# Altium PCB LimeSDR-X3_1v1.PcbDoc (part 14 of 25)
Units mm, origin at the board's own origin, x right, y up, seen from the top; angles counter-clockwise.
Board outline 232.5 x 111.15 mm, 12 copper layers (Top, L2, L3, L4, L5, L6, L7, L8, L9, L10, L11, Bottom), stack 1.596 mm thick; 2068 components, 1388 nets, 8930 pads, 3646 vias.
Unrouted connection lines stored in the file: 1.
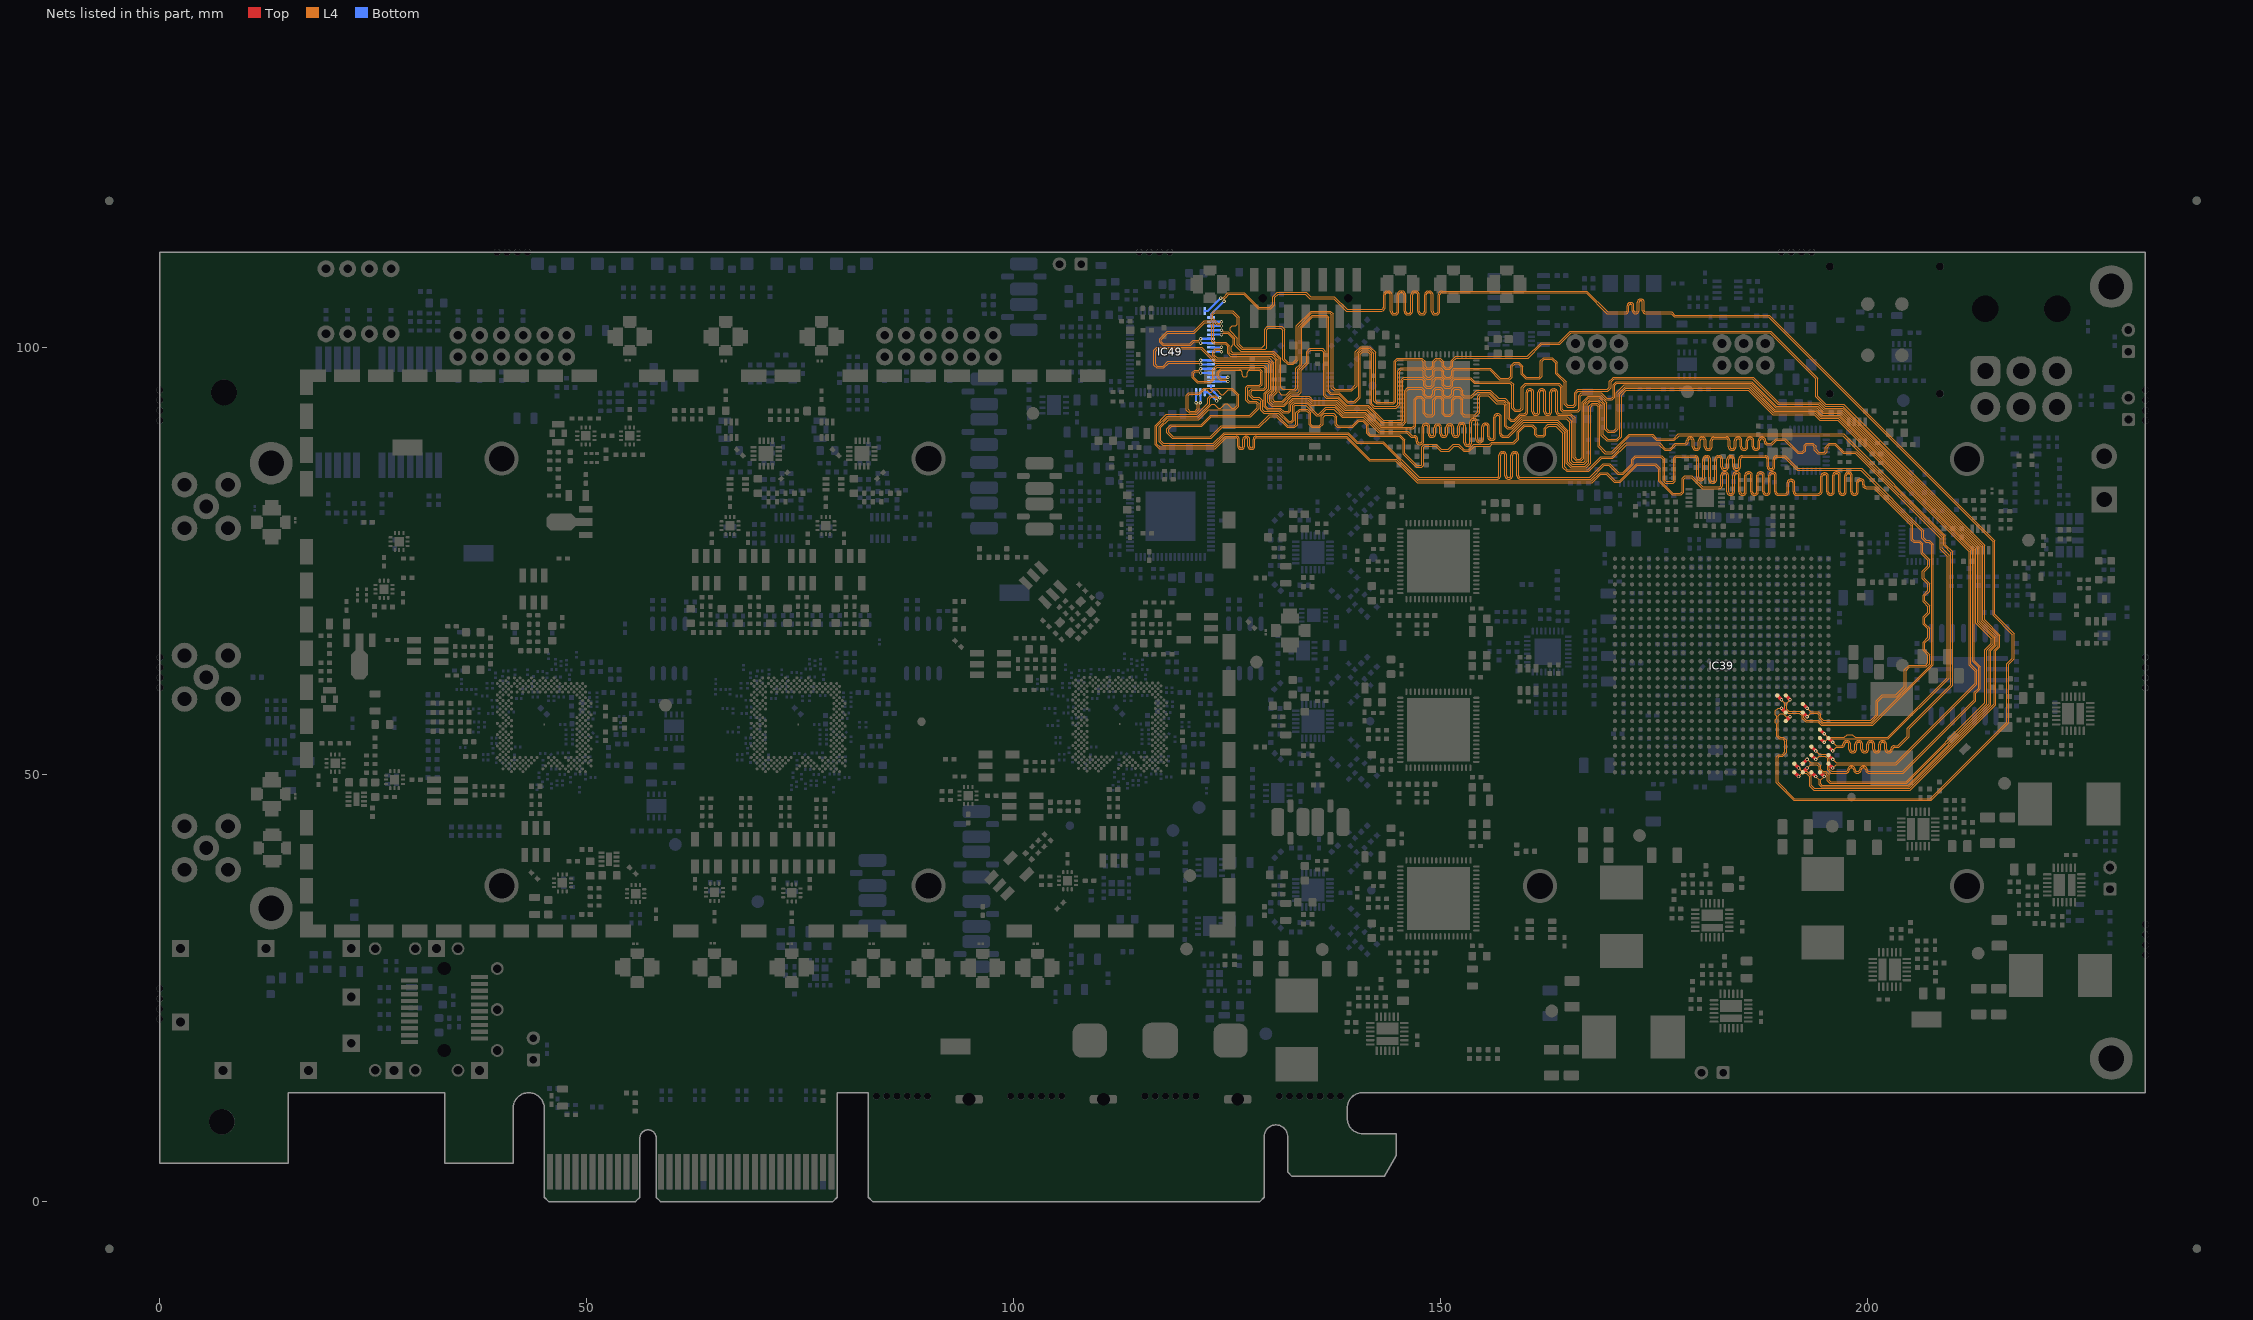
[diagram p24: the nets of this part, all layers, seen from the top]

## Via types
v1: diameter 0.4, hole 0.2, Top to Bottom, tented both sides, 3063 vias
v2: diameter 0.35, hole 0.2, Top to Bottom, tented both sides, 272 vias
v3: diameter 0.5, hole 0.2, Top to Bottom, tented bottom, 196 vias
v4: diameter 0.5, hole 0.2, Top to Bottom, tented both sides, 102 vias
v5: diameter 0.8, hole 0.4, Top to Bottom, tented both sides, 13 vias

## Nets (pads, with @x,y where several pads share a name; then routed paths per layer and width w, separated by ;. In a path a pad name is that pad's centre, name@x,y a point inside that pad or via, vN(x,y) a via of type N, cw(c..) or ccw(c..) an arc to the next point about the centre after c; other vN are vias at no path point) (continued)
LMS2_BB_DAC2_B3_N: IC39.K6 IC49.3 | length 197.1
  Top w0.4: IC39.K6@190.375,59.275 v1(190.875,58.775)
  L4 w0.1: v1(121.328,93.553) 121.328,93.494 121.478,93.344 121.478,92.853 121.2,92.575 120.6,92.575 120.4,92.775 120.4,94.35 120.575,94.525 121.758,94.525 122.283,95.05 122.575,95.05 122.85,94.775 123.075,94.775 123.35,95.05 123.726,95.05 124.276,94.5 124.525,94.5 125.075,95.05 125.5,95.05 126.15,94.4 126.15,93.225 125.825,92.9 125.475,92.9 124.95,93.425 124.725,93.425 124.2,92.9 123.925,92.9 123.45,93.375 123.176,93.375 121.576,91.775 118.026,91.775 117,90.749 117,88.992 117.417,88.575 123.424,88.575 124.699,89.85 139.075,89.85 140.125,88.8 143.167,88.8 147.367,84.6 156.573,84.6 ccw(c156.573,85.015) 156.988,85.015 156.988,87.401 cw(c157.203,87.401) 157.203,87.616 157.272,87.616 cw(c157.272,87.401) 157.488,87.401 157.488,85.015 ccw(c157.903,85.015) 157.903,84.6 157.972,84.6 ccw(c157.972,85.015) 158.387,85.015 158.387,87.401 cw(c158.602,87.401) 158.602,87.616 158.672,87.616 cw(c158.672,87.401) 158.887,87.401 158.887,85.015 ccw(c159.302,85.015) 159.302,84.6 165.708,84.6 167.514,84.6 169.114,86.2 169.667,86.2 170.717,85.15 171.358,85.15 172.525,86.317 172.525,86.5 172.525,86.867 172.808,87.15 175.168,87.15 175.75,87.15 176.025,86.875 176.025,84.392 176.292,84.125 177.208,84.125 177.45,84.367 177.45,87.025 177.575,87.15 179.762,87.15 cw(c179.762,86.935) 179.977,86.935 179.977,84.835 ccw(c180.392,84.835) 180.392,84.42 180.462,84.42 ccw(c180.462,84.835) 180.877,84.835 180.877,86.935 cw(c181.092,86.935) 181.092,87.15 181.162,87.15 cw(c181.162,86.935) 181.377,86.935 181.377,84.549 ccw(c181.792,84.549) 181.792,84.134 181.862,84.134 ccw(c181.862,84.549) 182.277,84.549 182.277,86.935 cw(c182.492,86.935) 182.492,87.15 182.562,87.15 cw(c182.562,86.935) 182.777,86.935 182.777,86.061 ccw(c183.192,86.061) 183.192,85.646 183.262,85.646 ccw(c183.262,86.061) 183.677,86.061 183.677,86.935 cw(c183.892,86.935) 183.892,87.15 183.962,87.15 cw(c183.962,86.935) 184.177,86.935 184.177,86.061 ccw(c184.592,86.061) 184.592,85.646 184.662,85.646 ccw(c184.662,86.061) 185.077,86.061 185.077,86.935 cw(c185.292,86.935) 185.292,87.15 187.973,87.15 cw(c187.973,86.935) 188.188,86.935 188.188,86.054 ccw(c188.603,86.054) 188.603,85.639 188.673,85.639 ccw(c188.673,86.054) 189.089,86.054 189.089,86.935 cw(c189.303,86.935) 189.303,87.15 190.225,87.15 191.725,85.65 199.175,85.65 206.325,78.5 206.325,77.651 206.751,77.225 207.125,77.225 207.45,76.9 207.45,62.934 200.466,55.95 194.624,55.95 194.199,56.375 194.058,56.375 192.775,56.375 192.5,56.65 192.5,56.95 192.05,57.4 190.725,57.4 190.475,57.65 190.475,58.375 v1(190.875,58.775)
  Bottom w0.254: v1(121.328,93.553) IC49.3@121.328,94.778
LMS2_BB_DAC2_B3_P: IC39.K7 IC49.2 | length 197.6
  Top w0.4: IC39.K7@189.375,59.275 v1(189.875,58.775)
  L4 w0.1: v1(121.828,93.553) 121.828,93.494 121.678,93.344 121.678,92.77 121.283,92.375 120.517,92.375 120.2,92.692 120.2,94.433 120.492,94.725 121.675,94.725 122.2,95.25 125.583,95.25 126.35,94.483 126.35,93.142 125.908,92.7 122.784,92.7 121.659,91.575 118.109,91.575 117.2,90.666 117.2,89.075 117.5,88.775 123.341,88.775 124.616,90.05 139.158,90.05 140.208,89 143.25,89 147.45,84.8 156.573,84.8 ccw(c156.573,85.015) 156.788,85.015 156.788,87.401 cw(c157.203,87.401) 157.203,87.816 157.272,87.816 cw(c157.272,87.401) 157.688,87.401 157.688,85.015 ccw(c157.903,85.015) 157.903,84.8 157.972,84.8 ccw(c157.972,85.015) 158.187,85.015 158.187,87.401 cw(c158.602,87.401) 158.602,87.816 158.672,87.816 cw(c158.672,87.401) 159.087,87.401 159.087,85.015 ccw(c159.302,85.015) 159.302,84.8 165.625,84.8 167.431,84.8 169.031,86.4 169.75,86.4 170.8,85.35 171.275,85.35 172.325,86.4 172.325,86.95 172.725,87.35 175.168,87.35 175.833,87.35 176.225,86.958 176.225,84.475 176.375,84.325 177.125,84.325 177.25,84.45 177.25,87.107 177.493,87.35 177.658,87.35 179.762,87.35 cw(c179.762,86.935) 180.177,86.935 180.177,84.835 ccw(c180.392,84.835) 180.392,84.62 180.462,84.62 ccw(c180.462,84.835) 180.677,84.835 180.677,86.935 cw(c181.092,86.935) 181.092,87.35 181.162,87.35 cw(c181.162,86.935) 181.577,86.935 181.577,84.549 ccw(c181.792,84.549) 181.792,84.334 181.862,84.334 ccw(c181.862,84.549) 182.077,84.549 182.077,86.935 cw(c182.492,86.935) 182.492,87.35 182.562,87.35 cw(c182.562,86.935) 182.977,86.935 182.977,86.061 ccw(c183.192,86.061) 183.192,85.846 183.262,85.846 ccw(c183.262,86.061) 183.477,86.061 183.477,86.935 cw(c183.892,86.935) 183.892,87.35 183.962,87.35 cw(c183.962,86.935) 184.377,86.935 184.377,86.061 ccw(c184.592,86.061) 184.592,85.846 184.662,85.846 ccw(c184.662,86.061) 184.877,86.061 184.877,86.935 cw(c185.292,86.935) 185.292,87.35 187.973,87.35 cw(c187.973,86.935) 188.388,86.935 188.388,86.054 ccw(c188.603,86.054) 188.603,85.839 188.673,85.839 ccw(c188.673,86.054) 188.888,86.054 188.888,86.935 cw(c189.303,86.935) 189.303,87.35 190.308,87.35 191.808,85.85 199.258,85.85 206.525,78.583 206.525,77.734 206.834,77.425 207.208,77.425 207.65,76.983 207.65,62.851 200.549,55.75 194.541,55.75 194.116,56.175 193.975,56.175 192.692,56.175 192.3,56.567 192.3,56.867 191.967,57.2 190.642,57.2 190.275,57.567 190.275,58.375 v1(189.875,58.775)
  Bottom w0.254: v1(121.828,93.553) IC49.2@121.828,94.778
LMS2_BB_DAC2_B4_N: IC39.H4 IC49.1 | length 197.1
  Top w0.4: IC39.H4@192.375,57.275 v1(192.875,56.775)
  L4 w0.1: v1(123.728,93.753) 123.687,93.794 123.687,94.006 123.504,94.189 123.089,94.189 122.9,94 122.9,93.381 121.494,91.975 117.944,91.975 116.75,90.781 116.75,88.702 117.076,88.375 123.506,88.375 124.756,89.625 126.03,89.625 cw(c126.03,89.255) 126.4,89.255 126.4,88.442 ccw(c126.57,88.442) 126.57,88.272 126.63,88.272 ccw(c126.63,88.442) 126.8,88.442 126.8,89.255 cw(c127.17,89.255) 127.17,89.625 127.23,89.625 cw(c127.23,89.255) 127.6,89.255 127.6,88.442 ccw(c127.77,88.442) 127.77,88.272 127.83,88.272 ccw(c127.83,88.442) 128,88.442 128,89.255 cw(c128.37,89.255) 128.37,89.625 138.965,89.625 141.665,86.925 144.759,86.925 147.284,84.4 147.508,84.4 167.65,84.4 168.625,85.375 169.45,85.375 170.4,84.425 170.925,84.425 172.9,86.4 175.133,86.4 175.675,85.858 175.675,84.425 177.15,82.95 178.05,82.95 178.25,83.15 178.25,84.683 178.542,84.975 179.383,84.975 179.508,84.85 180.658,83.7 182.56,83.7 ccw(c182.56,83.915) 182.775,83.915 182.775,85.031 cw(c183.19,85.031) 183.19,85.446 183.26,85.446 cw(c183.26,85.031) 183.675,85.031 183.675,83.115 ccw(c183.89,83.115) 183.89,82.9 183.96,82.9 ccw(c183.96,83.115) 184.175,83.115 184.175,85.031 cw(c184.59,85.031) 184.59,85.446 184.66,85.446 cw(c184.66,85.031) 185.075,85.031 185.075,83.115 ccw(c185.29,83.115) 185.29,82.9 185.36,82.9 ccw(c185.36,83.115) 185.575,83.115 185.575,85.031 cw(c185.99,85.031) 185.99,85.446 186.06,85.446 cw(c186.06,85.031) 186.475,85.031 186.475,83.115 ccw(c186.69,83.115) 186.69,82.9 186.76,82.9 ccw(c186.76,83.115) 186.975,83.115 186.975,85.031 cw(c187.39,85.031) 187.39,85.446 187.46,85.446 cw(c187.46,85.031) 187.875,85.031 187.875,83.115 ccw(c188.09,83.115) 188.09,82.9 188.16,82.9 ccw(c188.16,83.115) 188.375,83.115 188.375,85.031 cw(c188.79,85.031) 188.79,85.446 188.86,85.446 cw(c188.86,85.031) 189.275,85.031 189.275,83.115 ccw(c189.49,83.115) 189.49,82.9 190.31,82.9 ccw(c190.31,83.115) 190.525,83.115 190.525,84.151 cw(c190.94,84.151) 190.94,84.566 191.01,84.566 cw(c191.01,84.151) 191.425,84.151 191.425,83.115 ccw(c191.64,83.115) 191.64,82.9 191.71,82.9 194.114,82.9 ccw(c194.114,83.261) 194.475,83.261 194.475,84.914 cw(c194.89,84.914) 194.89,85.329 194.96,85.329 cw(c194.96,84.914) 195.375,84.914 195.375,83.115 ccw(c195.59,83.115) 195.59,82.9 195.66,82.9 ccw(c195.66,83.115) 195.875,83.115 195.875,85.031 cw(c196.29,85.031) 196.29,85.446 196.36,85.446 cw(c196.36,85.031) 196.775,85.031 196.775,83.115 ccw(c196.99,83.115) 196.99,82.9 197.06,82.9 ccw(c197.06,83.115) 197.275,83.115 197.275,85.01 cw(c197.69,85.01) 197.69,85.425 197.76,85.425 cw(c197.76,85.01) 198.175,85.01 198.175,83.115 ccw(c198.39,83.115) 198.39,82.9 198.46,82.9 ccw(c198.46,83.115) 198.675,83.115 198.675,84.208 cw(c199.09,84.208) 199.09,84.623 199.16,84.623 cw(c199.16,84.208) 199.575,84.208 199.575,83.915 ccw(c199.79,83.915) 199.79,83.7 200.808,83.7 205.275,79.233 205.275,77.55 205.425,77.4 206.074,77.4 206.425,77.049 206.425,75.975 207.225,75.175 207.225,74.375 206.575,73.725 206.575,73.008 207.225,72.358 207.225,71.492 206.65,70.917 206.65,70.333 207.225,69.758 207.225,68.925 206.675,68.375 206.675,67.683 207.225,67.133 207.225,65.992 206.65,65.417 206.65,64.633 207.225,64.058 207.225,62.992 206.833,62.6 204.9,62.6 204.475,62.175 204.475,60.242 203.364,59.131 201.756,59.131 201.175,58.55 201.175,56.942 200.383,56.15 194.706,56.15 194.281,56.575 194.281,56.969 194.075,57.175 193.275,57.175 v1(192.875,56.775)
  Bottom w0.254: IC49.1@122.328,94.778 122.703,94.778 v1(123.728,93.753)
LMS2_BB_DAC2_B4_P: IC39.J4 IC49.68 | length 197.4
  Top w0.4: IC39.J4@192.375,58.275 v1(192.875,57.775)
  L4 w0.1: v1@124.082,94.106 124.04,94.148 123.828,94.148 123.587,94.389 123.006,94.389 122.7,94.083 122.7,93.464 121.411,92.175 117.861,92.175 116.55,90.864 116.55,88.619 116.994,88.175 123.589,88.175 124.839,89.425 126.03,89.425 cw(c126.03,89.255) 126.2,89.255 126.2,88.442 ccw(c126.57,88.442) 126.57,88.072 126.63,88.072 ccw(c126.63,88.442) 127,88.442 127,89.255 cw(c127.17,89.255) 127.17,89.425 127.23,89.425 cw(c127.23,89.255) 127.4,89.255 127.4,88.442 ccw(c127.77,88.442) 127.77,88.072 127.83,88.072 ccw(c127.83,88.442) 128.2,88.442 128.2,89.255 cw(c128.37,89.255) 128.37,89.425 138.882,89.425 141.582,86.725 144.525,86.725 144.676,86.725 147.201,84.2 147.425,84.2 167.733,84.2 168.708,85.175 169.367,85.175 170.317,84.225 171.008,84.225 172.983,86.2 175.05,86.2 175.475,85.775 175.475,84.342 177.067,82.75 178.133,82.75 178.45,83.067 178.45,84.6 178.625,84.775 179.3,84.775 180.575,83.5 182.56,83.5 ccw(c182.56,83.915) 182.975,83.915 182.975,85.031 cw(c183.19,85.031) 183.19,85.246 183.26,85.246 cw(c183.26,85.031) 183.475,85.031 183.475,83.115 ccw(c183.89,83.115) 183.89,82.7 183.96,82.7 ccw(c183.96,83.115) 184.375,83.115 184.375,85.031 cw(c184.59,85.031) 184.59,85.246 184.66,85.246 cw(c184.66,85.031) 184.875,85.031 184.875,83.115 ccw(c185.29,83.115) 185.29,82.7 185.36,82.7 ccw(c185.36,83.115) 185.775,83.115 185.775,85.031 cw(c185.99,85.031) 185.99,85.246 186.06,85.246 cw(c186.06,85.031) 186.275,85.031 186.275,83.115 ccw(c186.69,83.115) 186.69,82.7 186.76,82.7 ccw(c186.76,83.115) 187.175,83.115 187.175,85.031 cw(c187.39,85.031) 187.39,85.246 187.46,85.246 cw(c187.46,85.031) 187.675,85.031 187.675,83.115 ccw(c188.09,83.115) 188.09,82.7 188.16,82.7 ccw(c188.16,83.115) 188.575,83.115 188.575,85.031 cw(c188.79,85.031) 188.79,85.246 188.86,85.246 cw(c188.86,85.031) 189.075,85.031 189.075,83.115 ccw(c189.49,83.115) 189.49,82.7 190.31,82.7 ccw(c190.31,83.115) 190.725,83.115 190.725,84.151 cw(c190.94,84.151) 190.94,84.366 191.01,84.366 cw(c191.01,84.151) 191.225,84.151 191.225,83.115 ccw(c191.64,83.115) 191.64,82.7 ; 191.71,82.7 191.64,82.7 ; v1(192.875,57.775) 193.275,57.375 194.158,57.375 194.45,57.083 194.481,57.051 194.481,56.658 194.789,56.35 199.537,56.35 200.3,56.35 200.975,57.025 200.975,58.633 201.673,59.331 203.281,59.331 204.275,60.325 204.275,62.258 204.817,62.8 206.75,62.8 207.025,63.075 207.025,63.975 206.45,64.55 206.45,65.5 207.025,66.075 207.025,67.05 206.475,67.6 206.475,68.458 207.025,69.008 207.025,69.675 206.45,70.25 206.45,71 207.025,71.575 207.025,72.275 206.375,72.925 206.375,73.808 207.025,74.458 207.025,75.092 206.25,75.867 206.225,75.892 206.225,76.966 205.991,77.2 205.342,77.2 205.075,77.467 205.075,79.15 200.725,83.5 199.79,83.5 cw(c199.79,83.915) 199.375,83.915 199.375,84.208 ccw(c199.16,84.208) 199.16,84.423 199.09,84.423 ccw(c199.09,84.208) 198.875,84.208 198.875,83.115 cw(c198.46,83.115) 198.46,82.7 198.39,82.7 cw(c198.39,83.115) 197.975,83.115 197.975,85.01 ccw(c197.76,85.01) 197.76,85.225 197.69,85.225 ccw(c197.69,85.01) 197.475,85.01 197.475,83.115 cw(c197.06,83.115) 197.06,82.7 196.99,82.7 cw(c196.99,83.115) 196.575,83.115 196.575,85.031 ccw(c196.36,85.031) 196.36,85.246 196.29,85.246 ccw(c196.29,85.031) 196.075,85.031 196.075,83.115 cw(c195.66,83.115) 195.66,82.7 195.59,82.7 cw(c195.59,83.115) 195.175,83.115 195.175,84.914 ccw(c194.96,84.914) 194.96,85.129 194.89,85.129 ccw(c194.89,84.914) 194.675,84.914 194.675,83.249 cw(c194.126,83.249) 194.126,82.7 191.64,82.7
  Bottom w0.254: IC49.68@123.078,95.528 123.078,95.153 v1(124.103,94.128)
LMS2_BB_DAC2_B5_N: IC39.E2 IC49.67 | length 197.3
  Top w0.4: IC39.E2@194.375,54.275 v1(194.875,53.775)
  L4 w0.1: v1(125.053,96.028) 124.995,96.028 124.845,96.178 124.172,96.178 123.8,96.55 123.8,97.133 124.192,97.525 128.783,97.525 129.084,97.224 129.084,95.676 128.808,95.4 127.475,95.4 127.35,95.275 127.35,93.9 127.525,93.725 128.4,93.725 128.7,93.425 128.7,92.892 127.708,91.9 123.116,91.9 121.991,90.775 118.45,90.775 118.1,90.425 118.1,90.1 118.625,89.575 123.009,89.575 124.284,90.85 128.625,90.85 129.9,92.125 130.783,92.125 132.058,90.85 132.825,90.85 133.025,91.05 133.025,92.375 133.45,92.8 134.333,92.8 134.75,92.383 134.75,91.05 134.95,90.85 135.75,90.85 136,91.1 136,91.95 136.35,92.3 137.425,92.3 137.8,91.925 137.8,91 137.95,90.85 139.592,90.85 140.317,91.575 140.908,91.575 141.5,90.983 141.5,90.075 141.75,89.825 145.175,89.825 145.775,89.225 145.775,87.606 147.181,86.2 147.675,86.2 147.775,86.3 147.775,88.391 148.059,88.675 149.458,88.675 150.058,88.075 150.867,88.075 151.467,88.675 152.108,88.675 152.733,88.05 153.23,88.05 153.855,88.675 155.675,88.675 155.925,88.925 158.492,88.925 158.925,89.358 158.925,90.166 159.734,90.975 160.733,90.975 161.175,90.533 161.175,89.883 161.308,89.75 161.358,89.75 ; 161.359,89.751 161.976,89.751 162.1,89.875 162.1,90.583 162.517,91 163.55,91 164.475,90.075 164.475,86.025 164.8,85.7 167.2,85.7 168.725,87.225 170.042,87.225 171.667,88.85 175.6,88.85 176.275,88.175 176.825,88.175 177.45,88.8 178.535,88.8 ccw(c178.535,89.015) 178.75,89.015 178.75,89.085 cw(c179.165,89.085) 179.165,89.5 179.235,89.5 cw(c179.235,89.085) 179.65,89.085 179.65,88.39 ccw(c179.865,88.39) 179.865,88.175 179.935,88.175 ccw(c179.935,88.39) 180.15,88.39 180.15,89.085 cw(c180.565,89.085) 180.565,89.5 180.635,89.5 cw(c180.635,89.085) 181.05,89.085 181.05,88.39 ccw(c181.265,88.39) 181.265,88.175 181.335,88.175 ccw(c181.335,88.39) 181.55,88.39 181.55,89.085 cw(c181.965,89.085) 181.965,89.5 182.035,89.5 183.365,89.5 183.435,89.5 cw(c183.435,89.085) 183.85,89.085 183.85,88.39 ccw(c184.065,88.39) 184.065,88.175 184.135,88.175 ccw(c184.135,88.39) 184.35,88.39 184.35,89.085 cw(c184.765,89.085) 184.765,89.5 184.835,89.5 cw(c184.835,89.085) 185.25,89.085 185.25,88.39 ccw(c185.465,88.39) 185.465,88.175 185.535,88.175 ccw(c185.535,88.39) 185.75,88.39 185.75,89.085 cw(c186.165,89.085) 186.165,89.5 186.235,89.5 cw(c186.235,89.085) 186.65,89.085 186.65,88.39 ccw(c186.865,88.39) 186.865,88.175 186.935,88.175 ccw(c186.935,88.39) 187.15,88.39 187.15,89.085 cw(c187.565,89.085) 187.565,89.5 187.635,89.5 cw(c187.635,89.085) 188.05,89.085 188.05,89.015 ccw(c188.265,89.015) 188.265,88.8 188.7,88.8 189.25,89.35 190.3,89.35 191.84,87.81 192.31,87.81 192.525,88.025 192.525,88.544 192.781,88.8 193.558,88.8 193.925,88.433 193.925,88.083 194.233,87.775 194.9,87.775 195.025,87.9 195.025,88.36 195.465,88.8 196.2,88.8 197.175,87.825 198.624,87.825 208.675,77.774 208.675,76.5 209.5,75.675 209.5,61.274 202.401,54.175 195.275,54.175 v1(194.875,53.775)
  Bottom w0.254: IC49.67@123.078,96.028 v1(125.053,96.028)
LMS2_BB_DAC2_B5_P: IC39.F2 IC49.66 | length 197.3
  Top w0.4: IC39.F2@194.375,55.275 v1(194.875,54.775)
  L4 w0.1: v1(125.053,96.528) 124.995,96.528 124.845,96.378 124.255,96.378 124,96.633 124,97.05 124.275,97.325 125.825,97.325 126.125,97.325 126.455,97.325 cw(c126.455,97.055) 126.725,97.055 126.725,96.833 ccw(c126.995,96.833) 126.995,96.563 127.055,96.563 ccw(c127.055,96.833) 127.325,96.833 127.325,97.055 cw(c127.595,97.055) 127.595,97.325 127.825,97.325 128.7,97.325 128.884,97.141 128.884,95.759 128.725,95.6 127.392,95.6 127.15,95.358 127.15,93.817 127.442,93.525 128.317,93.525 128.5,93.342 128.5,92.975 127.625,92.1 123.033,92.1 121.908,90.975 118.367,90.975 117.9,90.508 117.9,90.017 118.542,89.375 123.092,89.375 124.367,90.65 128.708,90.65 129.983,91.925 130.7,91.925 131.975,90.65 132.908,90.65 133.225,90.967 133.225,92.292 133.533,92.6 134.25,92.6 134.55,92.3 134.55,90.967 134.867,90.65 135.833,90.65 136.2,91.017 136.2,91.867 136.433,92.1 137.342,92.1 137.6,91.842 137.6,90.917 137.867,90.65 139.675,90.65 140.4,91.375 140.825,91.375 141.3,90.9 141.3,89.992 141.667,89.625 145.092,89.625 145.575,89.142 145.575,87.524 147.099,86 147.758,86 147.975,86.217 147.975,88.308 148.142,88.475 149.375,88.475 149.975,87.875 150.95,87.875 151.55,88.475 152.025,88.475 152.65,87.85 153.313,87.85 153.938,88.475 155.758,88.475 156.008,88.725 158.575,88.725 159.125,89.275 159.125,90.083 159.817,90.775 160.65,90.775 160.975,90.45 160.975,89.8 161.225,89.55 161.441,89.55 162.059,89.551 162.3,89.792 162.3,90.5 162.6,90.8 163.467,90.8 164.275,89.992 164.275,85.942 164.717,85.5 167.283,85.5 168.808,87.025 170.125,87.025 171.75,88.65 175.517,88.65 176.192,87.975 176.908,87.975 177.108,88.175 177.533,88.6 178.535,88.6 ccw(c178.535,89.015) 178.95,89.015 178.95,89.085 cw(c179.165,89.085) 179.165,89.3 179.235,89.3 cw(c179.235,89.085) 179.45,89.085 179.45,88.39 ccw(c179.865,88.39) 179.865,87.975 179.935,87.975 ccw(c179.935,88.39) 180.35,88.39 180.35,89.085 cw(c180.565,89.085) 180.565,89.3 180.635,89.3 cw(c180.635,89.085) 180.85,89.085 180.85,88.39 ccw(c181.265,88.39) 181.265,87.975 181.335,87.975 ccw(c181.335,88.39) 181.75,88.39 181.75,89.085 cw(c181.965,89.085) 181.965,89.3 183.365,89.3 183.435,89.3 cw(c183.435,89.085) 183.65,89.085 183.65,88.39 ccw(c184.065,88.39) 184.065,87.975 184.135,87.975 ccw(c184.135,88.39) 184.55,88.39 184.55,89.085 cw(c184.765,89.085) 184.765,89.3 184.835,89.3 cw(c184.835,89.085) 185.05,89.085 185.05,88.39 ccw(c185.465,88.39) 185.465,87.975 185.535,87.975 ccw(c185.535,88.39) 185.95,88.39 185.95,89.085 cw(c186.165,89.085) 186.165,89.3 186.235,89.3 cw(c186.235,89.085) 186.45,89.085 186.45,88.39 ccw(c186.865,88.39) 186.865,87.975 186.935,87.975 ccw(c186.935,88.39) 187.35,88.39 187.35,89.085 cw(c187.565,89.085) 187.565,89.3 187.635,89.3 cw(c187.635,89.085) 187.85,89.085 187.85,89.015 ccw(c188.265,89.015) 188.265,88.6 188.783,88.6 189.333,89.15 190.037,89.15 190.217,89.15 191.757,87.61 192.393,87.61 192.725,87.942 192.725,88.462 192.863,88.6 193.475,88.6 193.725,88.35 193.725,88 194.15,87.575 194.983,87.575 195.225,87.817 195.225,88.277 195.548,88.6 196.117,88.6 197.092,87.625 197.8,87.625 198.541,87.625 208.475,77.691 208.475,76.417 209.3,75.592 209.3,61.357 208.161,60.218 202.318,54.375 198.5,54.375 198.185,54.69 197.565,54.69 197.25,54.375 195.275,54.375 v1(194.875,54.775)
  Bottom w0.254: IC49.66@123.078,96.528 v1(125.053,96.528)
LMS2_BB_DAC2_B6_N: IC39.D1 IC49.65 | length 197.1
  Top w0.4: IC39.D1@195.375,53.275 v1(195.875,52.775)
  L4 w0.1: v1(121.853,97.028) 121.794,97.028 121.644,97.178 121.228,97.178 121.075,97.025 121.075,96.534 121.534,96.075 122.975,96.075 123.275,96.375 123.275,97.458 123.742,97.925 129.258,97.925 129.625,97.558 129.625,95.317 129.308,95 127.925,95 127.775,94.85 127.775,94.425 128.025,94.175 128.708,94.175 129.109,93.774 129.109,92.741 129.325,92.525 131.025,92.525 132.175,91.375 132.45,91.375 132.625,91.55 132.625,93.233 132.867,93.475 133.202,93.475 134.258,93.475 135.508,92.225 135.709,92.225 136.484,93 137.549,93 138.499,92.05 140.999,92.05 142.824,90.225 146.1,90.225 146.625,89.7 146.869,89.7 cw(c146.869,89.285) 147.284,89.285 147.284,89.054 ccw(c147.499,89.054) 147.499,88.839 147.569,88.839 ccw(c147.569,89.054) 147.784,89.054 147.784,90.705 cw(c148.199,90.705) 148.199,91.12 148.269,91.12 cw(c148.269,90.705) 148.684,90.705 148.684,89.915 ccw(c148.899,89.915) 148.899,89.7 148.969,89.7 ccw(c148.969,89.915) 149.184,89.915 149.184,90.636 cw(c149.599,90.636) 149.599,91.051 149.669,91.051 cw(c149.669,90.636) 150.084,90.636 150.084,89.915 ccw(c150.299,89.915) 150.299,89.7 150.369,89.7 ccw(c150.369,89.915) 150.584,89.915 150.584,90.66 cw(c150.999,90.66) 150.999,91.075 151.069,91.075 cw(c151.069,90.66) 151.484,90.66 151.484,89.915 ccw(c151.699,89.915) 151.699,89.7 151.769,89.7 ccw(c151.769,89.915) 151.984,89.915 151.984,90.805 cw(c152.399,90.805) 152.399,91.22 152.469,91.22 cw(c152.469,90.805) 152.884,90.805 152.884,88.859 ccw(c153.099,88.859) 153.099,88.644 153.169,88.644 ccw(c153.169,88.859) 153.384,88.859 153.384,91.288 cw(c153.799,91.288) 153.799,91.703 153.869,91.703 cw(c153.869,91.288) 154.284,91.288 154.284,89.29 ccw(c154.499,89.29) 154.499,89.075 154.569,89.075 ccw(c154.569,89.29) 154.784,89.29 154.784,90.736 cw(c155.199,90.736) 155.199,91.151 155.269,91.151 cw(c155.269,90.736) 155.684,90.736 155.684,89.54 ccw(c155.899,89.54) 155.899,89.325 155.969,89.325 ccw(c155.969,89.54) 156.184,89.54 156.184,91.837 cw(c156.599,91.837) 156.599,92.252 156.669,92.252 cw(c156.669,91.837) 157.084,91.837 157.084,89.915 ccw(c157.299,89.915) 157.299,89.7 157.842,89.7 159.617,91.475 163.675,91.475 164.875,90.275 164.875,86.558 165.308,86.125 166.917,86.125 167.325,86.533 167.325,93.125 167.7,93.5 168.283,93.5 168.6,93.183 168.6,88.483 169.283,87.8 170,87.8 172.05,89.85 174.775,89.85 175.275,89.35 177.259,89.35 177.809,89.9 195.408,89.9 197.156,89.9 209.075,77.981 209.075,76.925 209.925,76.075 209.925,60.467 204.825,55.367 204.825,54.417 203.583,53.175 203.084,53.175 ccw(c203.084,52.965) 202.874,52.965 cw(c202.459,52.965) 202.459,52.55 202.389,52.55 cw(c202.389,52.965) 201.974,52.965 201.974,53.56 ccw(c201.759,53.56) 201.759,53.775 201.689,53.775 ccw(c201.689,53.56) 201.474,53.56 201.474,52.965 cw(c201.059,52.965) 201.059,52.55 200.989,52.55 cw(c200.989,52.965) 200.574,52.965 200.574,53.56 ccw(c200.359,53.56) 200.359,53.775 200.289,53.775 ccw(c200.289,53.56) 200.074,53.56 200.074,52.965 cw(c199.659,52.965) 199.659,52.55 199.589,52.55 cw(c199.589,52.965) 199.174,52.965 199.174,53.56 ccw(c198.959,53.56) 198.959,53.775 198.889,53.775 ccw(c198.889,53.56) 198.674,53.56 198.674,52.965 cw(c198.259,52.965) 198.259,52.55 198.189,52.55 cw(c198.189,52.965) 197.774,52.965 197.774,53.56 ccw(c197.559,53.56) 197.559,53.775 197.489,53.775 ccw(c197.489,53.56) 197.274,53.56 cw(c196.889,53.56) 196.889,53.175 196.275,53.175 v1(195.875,52.775)